# Altium PCB jetson-orin-baseboard.PcbDoc (part 3 of 4)
Units mm, origin at the board's own origin, x right, y up, seen from the top; angles counter-clockwise.
Board outline 120 x 60 mm, 8 copper layers (F.Cu, In1.Cu, In2.Cu, In3.Cu, In4.Cu, In5.Cu, In6.Cu, B.Cu); 670 components, 640 nets, 2806 pads, 0 vias.
Unrouted connection lines stored in the file: 1646.
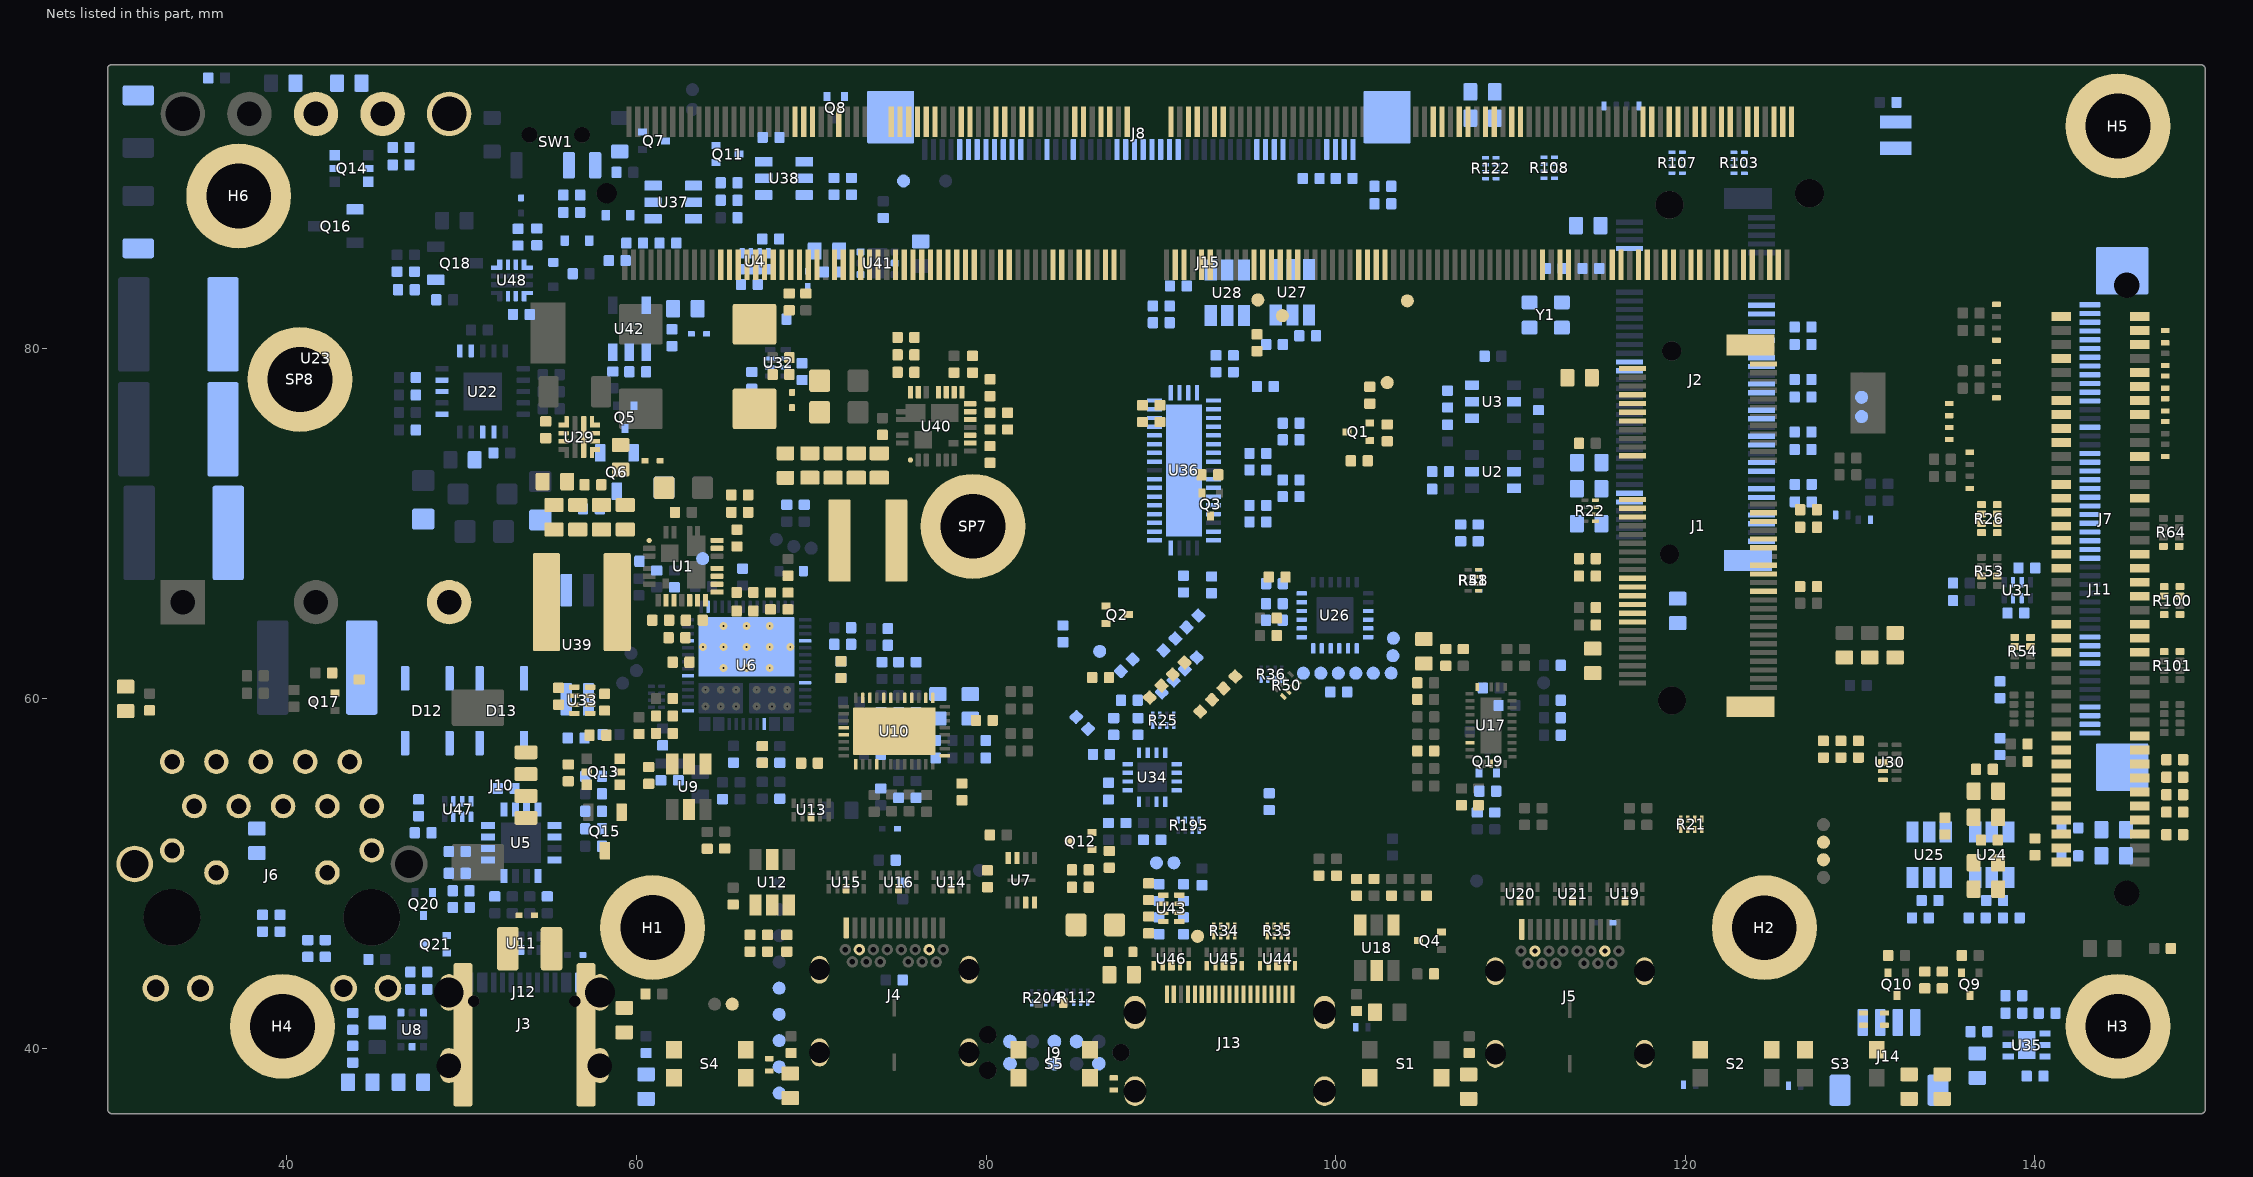
[diagram p3: the nets of this part, all layers, seen from the top]

## Footprints (in the part's own frame and the unit in brackets; to place one, negate y for a bottom-side part, rotate by r counter-clockwise, add the part's x,y. Pads: shape width x height; smd on the part's side, far side on the other; paste and mask are expansions set on the pad) (continued)
TE_2309413 [mm]
  rect 0.3x1.75 smd mask+0: 1(33.369,12.026) 2(33.119,3.826) 3(32.869,12.026) 4(32.619,3.826) 5(32.369,12.026) 6(32.119,3.826) 7(31.87,12.026) 8(31.62,3.826) 9(31.37,12.026) 10(31.12,3.826) 11(30.87,12.026) 12(30.62,3.826) 13(30.37,12.026) 14(30.12,3.826) 15(29.87,12.026) 16(29.62,3.826) 17(29.37,12.026) 18(29.12,3.826) 19(28.87,12.026) 20(28.62,3.826) 21(28.37,12.026) 22(28.12,3.826) 23(27.87,12.026) 24(27.62,3.826) 25(27.37,12.026) 26(27.12,3.826) 27(26.87,12.026) 28(26.62,3.826) 29(26.37,12.026) 30(26.12,3.826) 31(25.87,12.026) 32(25.62,3.826) 33(25.37,12.026) 34(25.12,3.826) 35(24.87,12.026) 36(24.62,3.826) 37(24.37,12.026) 38(24.12,3.826) 39(23.87,12.026) 40(23.62,3.826) 41(23.37,12.026) 42(23.12,3.826) 43(22.87,12.026) 44(22.62,3.826) 45(22.37,12.026) 46(22.12,3.826) 47(21.87,12.026) 48(21.62,3.826) 49(21.37,12.026) 50(21.12,3.826) 51(20.87,12.026) 52(20.62,3.826) 53(20.37,12.026) 54(20.12,3.826) 55(19.87,12.026) 56(19.62,3.826) 57(19.37,12.026) 58(19.12,3.826) 59(18.87,12.026) 60(18.62,3.826) 61(18.37,12.026) 62(18.12,3.826) 63(17.87,12.026) 64(17.62,3.826) 65(17.37,12.026) 66(17.12,3.826) 67(16.87,12.026) 68(16.62,3.826) 69(16.37,12.026) 70(16.12,3.826) 71(15.87,12.026) 72(15.62,3.826) 73(15.37,12.026) 74(15.12,3.826) 75(14.87,12.026) 76(14.62,3.826) 77(14.37,12.026) 78(14.12,3.826) 79(13.87,12.026) 80(13.62,3.826) 81(13.37,12.026) 82(13.12,3.826) 83(12.87,12.026) 84(12.62,3.826) 85(12.37,12.026) 86(12.12,3.826) 87(11.87,12.026) 88(11.62,3.826) 89(11.37,12.026) 90(11.12,3.826) 91(10.87,12.026) 92(10.62,3.826) 93(10.37,12.026) 94(10.12,3.826) 95(9.87,12.026) 96(9.62,3.826) 97(9.37,12.026) 98(9.12,3.826) 99(8.87,12.026) 100(8.62,3.826) 101(8.37,12.026) 102(8.12,3.826) 103(7.869,12.026) 104(7.619,3.826) 105(7.369,12.026) 106(7.119,3.826) 107(6.869,12.026) 108(6.619,3.826) 109(6.369,12.026) 110(6.119,3.826) 111(5.869,12.026) 112(5.619,3.826) 113(5.369,12.026) 114(5.12,3.826) 115(4.87,12.026) 116(4.62,3.826) 117(4.37,12.026) 118(4.12,3.826) 119(3.87,12.026) 120(3.62,3.826) 121(3.37,12.026) 122(3.12,3.826) 123(2.87,12.026) 124(2.62,3.826) 125(2.37,12.026) 126(2.12,3.826) 127(1.87,12.026) 128(1.62,3.826) 129(1.37,12.026) 130(1.12,3.826) 131(0.869,12.026) 132(0.619,3.826) 133(0.369,12.026) 134(0.119,3.826) 135(-0.131,12.026) 136(-0.38,3.826) 137(-0.63,12.026) 138(-0.88,3.826) 139(-1.131,12.026) 140(-1.381,3.826) 141(-1.631,12.026) 142(-1.881,3.826) 143(-2.13,12.026) 144(-2.38,3.826) 145(-4.63,12.026) 146(-4.88,3.826) 147(-5.13,12.026) 148(-5.38,3.826) 149(-5.63,12.026) 150(-5.88,3.826) 151(-6.13,12.026) 152(-6.38,3.826) 153(-6.63,12.026) 154(-6.88,3.826) 155(-7.13,12.026) 156(-7.38,3.826) 157(-7.63,12.026) 158(-7.88,3.826) 159(-8.131,12.026) 160(-8.381,3.826) 161(-8.631,12.026) 162(-8.881,3.826) 163(-9.131,12.026) 164(-9.381,3.826) 165(-9.631,12.026) 166(-9.881,3.826) 167(-10.131,12.026) 168(-10.381,3.826) 169(-10.631,12.026) 170(-10.881,3.826) 171(-11.131,12.026) 172(-11.381,3.826) 173(-11.631,12.026) 174(-11.881,3.826) 175(-12.131,12.026) 176(-12.381,3.826) 177(-12.631,12.026) 178(-12.881,3.826) 179(-13.131,12.026) 180(-13.381,3.826) 181(-13.631,12.026) 182(-13.881,3.826) 183(-14.131,12.026) 184(-14.381,3.826) 185(-14.631,12.026) 186(-14.881,3.826) 187(-15.131,12.026) 188(-15.381,3.826) 189(-15.631,12.026) 190(-15.881,3.826) 191(-16.13,12.026) 192(-16.38,3.826) 193(-16.63,12.026) 194(-16.88,3.826) 195(-17.13,12.026) 196(-17.38,3.826) 197(-17.63,12.026) 198(-17.88,3.826) 199(-18.13,12.026) 200(-18.38,3.826) 201(-18.63,12.026) 202(-18.88,3.826) 203(-19.13,12.026) 204(-19.38,3.826) 205(-19.63,12.026) 206(-19.88,3.826) 207(-20.13,12.026) 208(-20.38,3.826) 209(-20.63,12.026) 210(-20.88,3.826) 211(-21.13,12.026) 212(-21.38,3.826) 213(-21.63,12.026) 214(-21.88,3.826) 215(-22.13,12.026) 216(-22.38,3.826) 217(-22.63,12.026) 218(-22.88,3.826) 219(-23.13,12.026) 220(-23.38,3.826) 221(-23.63,12.026) 222(-23.88,3.826) 223(-24.13,12.026) 224(-24.38,3.826) 225(-24.63,12.026) 226(-24.88,3.826) 227(-25.13,12.026) 228(-25.38,3.826) 229(-25.63,12.026) 230(-25.88,3.826) 231(-26.13,12.026) 232(-26.38,3.826) 233(-26.63,12.026) 234(-26.88,3.826) 235(-27.13,12.026) 236(-27.38,3.826) 237(-27.63,12.026) 238(-27.88,3.826) 239(-28.13,12.026) 240(-28.38,3.826) 241(-28.63,12.026) 242(-28.88,3.826) 243(-29.13,12.026) 244(-29.38,3.826) 245(-29.63,12.026) 246(-29.88,3.826) 247(-30.13,12.026) 248(-30.38,3.826) 249(-30.63,12.026) 250(-30.88,3.826) 251(-31.13,12.026) 252(-31.38,3.826) 253(-31.63,12.026) 254(-31.88,3.826) 255(-32.131,12.026) 256(-32.381,3.826) 257(-32.631,12.026) 258(-32.881,3.826) 259(-33.131,12.026) 260(-33.381,3.826)
  rect 2x3.5 smd mask+0: 261(-37.756,-0.073) 262(37.744,-4.073)
  round 1.15 hole 1.15 paste-2539.97 mask+0: Un1(-34.406,7.926)
  round 1.65 hole 1.65 paste-2539.97 mask+0: Un2(34.395,7.926)
  silkscreen extent -38.91,-5.97 38.89,12.93, body extent -38.05,-12.93 38.05,12.92, height 9.25
TP_SMD_0.75mm [mm]
  round 0.75 smd paste-0.75 mask+0: 1(0,0)
TSOT23-6#1 [mm]
  rect 1.2x0.7 smd mask+0: 1(-1.301,0.947) 2(-1.301,-0.004) 3(-1.301,-0.954) 4(1.299,-0.954) 5(1.299,-0.004) 6(1.299,0.947)
  silkscreen extent -1.49,-1.55 1,1.55
TSOT23-6#2 [mm]
  rect 1.2x0.7 smd mask+0: 1(1.301,-0.947) 2(1.301,0.004) 3(1.301,0.954) 4(-1.299,0.954) 5(-1.299,0.004) 6(-1.299,-0.947)
  silkscreen extent -1,-1.55 1.49,1.55
USB-C_RECEPTACLE_GCT_USB4105-GF-A [mm]
  rrect25% 0.6x1.15 smd mask+0: A1(3.202,-3.5) A4(2.4,-3.5) A9(-2.398,-3.5) A12(-3.2,-3.5) B1(-3.2,-3.5) B4(-2.398,-3.5) B9(2.4,-3.5) B12(3.202,-3.5)
  rrect25% 0.3x1.15 smd mask+0: A5(1.25,-3.5) A6(0.25,-3.5) A7(-0.248,-3.5) A8(-1.249,-3.5) B5(-1.749,-3.5) B6(-0.748,-3.5) B7(0.75,-3.5) B8(1.75,-3.5)
  rrect100% 1.05x2.1 hole 1.7 slot 0.6 at 0 deg paste-2539.97 mask+0: SH(-4.32,-2.926) SH(4.321,-2.926)
  rrect100% 1x2 hole 1.4 slot 0.6 at 0 deg paste-2539.97 mask+0: SH(-4.32,1.255) SH(4.321,1.255)
  round 0.65 hole 0.65 paste-2539.97 mask+0: Un1(2.891,-2.426) Un2(-2.89,-2.426)
  silkscreen extent -4.79,-4.35 4.79,3.85, body extent -4.79,-3.86 4.79,3.85, height 3.31
USB-C_RECEPTACLE_WE_632723300011 [mm]
  rrect25% 0.3x1.2 smd mask+0: A1(-2.75,5.635) A2(-2.25,5.635) A3(-1.75,5.635) A4(-1.25,5.635) A5(-0.75,5.635) A6(-0.25,5.635) A7(0.25,5.635) A8(0.75,5.635) A9(1.25,5.635) A10(1.75,5.635) A11(2.25,5.635) A12(2.75,5.635)
  round 0.65 hole 0.3 paste-2539.97 mask+0: B1(2.8,4.385) B2(2.4,3.685) B3(1.6,3.685) B4(1.2,4.385) B5(0.8,3.685) B6(0.4,4.385) B7(-0.4,4.385) B8(-0.8,3.685) B9(-1.2,4.385) B10(-1.6,3.685) B11(-2.4,3.685) B12(-2.8,4.385) SH(-2,4.385) SH(2,4.385)
  rrect100% 1x1.6 hole 1.2 slot 0.6 at 0 deg paste-2539.97 mask+0: SH(-4.27,-1.495) SH(-4.27,3.235) SH(4.27,-1.495) SH(4.27,3.235)
  rrect25% 0.2x1 smd mask+0: Un1(0,1.055) Un2(0,-2.045)
  silkscreen extent -4.4,-3.2 4.4,5.65, body extent -4.37,-5.92 4.37,5.87, height 3.06
USON-8_2x3mm_P0.5mm [mm]
  rrect25% 0.7x0.3 smd mask+0: 1(-1.273,0.75) 2(-1.273,0.25) 3(-1.273,-0.248) 4(-1.273,-0.748) 5(1.276,-0.748) 6(1.276,-0.248) 7(1.276,0.25) 8(1.276,0.75)
  rrect25% 0.2x1.6 smd mask+0: EP(0,0)
  silkscreen extent -1.8,-1.3 1.71,1.3
USON-10_2.5x1mm_P0.5mm#1 [mm]
  rrect25% 0.55x0.25 smd mask+0: 1(0.387,-1) 2(0.387,-0.5) 4(0.387,0.498) 5(0.387,0.998) 6(-0.385,0.998) 7(-0.385,0.498) 9(-0.385,-0.5) 10(-0.385,-1)
  rrect25% 0.55x0.4 smd mask+0: 3(0.387,0) 8(-0.385,0)
  silkscreen extent -0.5,-1.4 0.73,1.4
USON-10_2.5x1mm_P0.5mm#2 [mm]
  rrect25% 0.55x0.25 smd mask+0: 1(-0.387,1) 2(-0.387,0.5) 4(-0.387,-0.498) 5(-0.387,-0.998) 6(0.385,-0.998) 7(0.385,-0.498) 9(0.385,0.5) 10(0.385,1)
  rrect25% 0.55x0.4 smd mask+0: 3(-0.387,0) 8(0.385,0)
  silkscreen extent -0.73,-1.4 0.5,1.4
VQFN-16-1EP_3x3mm_P0.5mm_EP1.68x1.68mm [mm]
  rrect20% 0.6x0.25 smd mask+0: 1(1.4,-0.75) 2(1.4,-0.25) 3(1.4,0.25) 4(1.4,0.75) 9(-1.4,0.75) 10(-1.4,0.25) 11(-1.4,-0.25) 12(-1.4,-0.75)
  rrect20% 0.25x0.6 smd mask+0: 5(0.75,1.4) 6(0.25,1.4) 7(-0.25,1.4) 8(-0.75,1.4) 13(-0.75,-1.4) 14(-0.25,-1.4) 15(0.25,-1.4) 16(0.75,-1.4)
  rrect3% 1.68x1.68 smd mask+0: 17(0,0)
  silkscreen extent -1.5,-1.5 1.8,1.5
VQFN-20_5x5x1mm_P0.65mm [mm]
  rrect25% 0.75x0.31 smd mask+0: 1(2.327,-1.301) 2(2.327,-0.652) 3(2.327,0) 4(2.327,0.65) 5(2.327,1.3) 11(-2.325,1.3) 12(-2.325,0.65) 13(-2.325,0) 14(-2.325,-0.652) 15(-2.325,-1.301)
  rrect25% 0.31x0.75 smd mask+0: 6(1.301,2.325) 7(0.652,2.325) 8(0,2.325) 9(-0.65,2.325) 10(-1.3,2.325) 16(-1.3,-2.327) 17(-0.65,-2.327) 18(0,-2.327) 19(0.652,-2.327) 20(1.301,-2.327)
  rect 2.2x2.2 smd paste-2.2 mask+0: 21(0,0)
  silkscreen extent -2.5,-2.5 2.85,2.5
VQFN-24-1EP_3.8x3.8x1.0mm_P0.5mm [mm]
  rrect25% 0.6x0.25 smd mask+0: 1(1.901,-1.25) 2(1.901,-0.75) 3(1.901,-0.25) 4(1.901,0.248) 5(1.901,0.748) 6(1.901,1.249) 13(-1.898,1.249) 14(-1.898,0.748) 15(-1.898,0.248) 16(-1.898,-0.25) 17(-1.898,-0.75) 18(-1.898,-1.252)
  rrect25% 0.25x0.6 smd mask+0: 7(1.252,1.898) 8(0.751,1.898) 9(0.25,1.898) 10(-0.248,1.898) 11(-0.748,1.898) 12(-1.249,1.898) 19(-1.249,-1.901) 20(-0.748,-1.901) 21(-0.248,-1.901) 22(0.25,-1.901) 23(0.75,-1.901) 24(1.252,-1.901)
  rrect5% 2.1x2.1 smd mask+0: 25(0,-0.001)
  silkscreen extent -1.9,-2.25 2.25,1.9
VQFN-HR-10_2x2mm#1 [mm]
  rrect17% 0.6x0.3 smd paste-0.6 mask+0: 1(-0.9,0.7) 4(-0.9,-0.7) 7(0.9,-0.7) 10(0.9,0.7)
  rrect20% 0.25x0.65 smd paste-0.65 mask+0: 1(-0.725,0.875) 4(-0.725,-0.875) 7(0.725,-0.875) 10(0.725,0.875)
  rrect20% 0.6x0.25 smd mask+0: 2(-0.9,0.225) 3(-0.9,-0.225) 8(0.9,-0.225) 9(0.9,0.225)
  rrect25% 0.3x2.4 smd paste-2.4 mask+0: 5(-0.25,0) 6(0.25,0)
  rrect18% 0.6x0.275 on Top Paste mask-0.6: Un1(-0.9,0.687) Un2(-0.9,-0.687) Un11(0.9,0.687) Un12(0.9,-0.687)
  rrect22% 0.225x0.65 on Top Paste mask-0.65: Un3(-0.713,0.875) Un4(-0.713,-0.875) Un9(0.713,0.875) Un10(0.713,-0.875)
  rrect18% 0.28x1.06 on Top Paste mask-1.06: Un5(-0.25,0.63) Un6(-0.25,-0.63) Un7(0.25,0.63) Un8(0.25,-0.63)
  silkscreen extent -1.25,1.14 -1.15,1.25
VQFN-HR-10_2x2mm#2 [mm]
  rrect20% 0.25x0.65 smd paste-0.65 mask+0: 1(0.725,-0.875) 4(0.725,0.875) 7(-0.725,0.875) 10(-0.725,-0.875)
  rrect17% 0.6x0.3 smd paste-0.6 mask+0: 1(0.9,-0.7) 4(0.9,0.7) 7(-0.9,0.7) 10(-0.9,-0.7)
  rrect20% 0.6x0.25 smd mask+0: 2(0.9,-0.225) 3(0.9,0.225) 8(-0.9,0.225) 9(-0.9,-0.225)
  rrect25% 0.3x2.4 smd paste-2.4 mask+0: 5(0.25,0) 6(-0.25,0)
  rrect18% 0.6x0.275 on Bottom Paste mask-0.6: Un1(0.9,0.687) Un2(0.9,-0.687) Un11(-0.9,0.687) Un12(-0.9,-0.687)
  rrect22% 0.225x0.65 on Bottom Paste mask-0.65: Un3(0.713,0.875) Un4(0.713,-0.875) Un9(-0.713,0.875) Un10(-0.713,-0.875)
  rrect18% 0.28x1.06 on Bottom Paste mask-1.06: Un5(0.25,0.63) Un6(0.25,-0.63) Un7(-0.25,0.63) Un8(-0.25,-0.63)
  silkscreen extent 1.15,-1.25 1.25,-1.14
WQFN-30-1EP_4.6x2.6mm_P0.4mm [mm]
  rect 0.45x0.2 smd mask+0: 1(-1.232,1.809) 10(-1.232,-1.79) 16(1.222,-1.79) 25(1.222,1.809)
  rect 0.5x0.2 smd mask+0: 2(-1.203,1.41) 3(-1.203,1.01) 4(-1.203,0.609) 5(-1.203,0.21) 6(-1.203,-0.191) 7(-1.203,-0.59) 8(-1.203,-0.99) 9(-1.203,-1.391) 17(1.196,-1.391) 18(1.196,-0.99) 19(1.196,-0.59) 20(1.196,-0.191) 21(1.196,0.21) 22(1.196,0.609) 23(1.196,1.01) 24(1.196,1.41)
  rect 0.2x0.45 smd mask+0: 11(-0.804,-2.191) 15(0.797,-2.191) 26(0.797,2.21) 30(-0.804,2.21)
  rect 0.2x0.5 smd mask+0: 12(-0.403,-2.191) 13(-0.003,-2.191) 14(0.396,-2.191) 27(0.396,2.21) 28(-0.003,2.21) 29(-0.403,2.21)
  rect 1.2x3.2 smd mask+0: 31(-0.003,0.01)
  silkscreen extent -1.55,-2.24 1.25,2.55
WQFN-40_1EP_6x3mm_Pitch0.4mm_EP4.7x2.7mm [mm]
  rrect25% 0.6x0.2 smd mask+0: 1(-2.9,1.401) 2(-2.9,1) 3(-2.9,0.6) 4(-2.9,0.202) 5(-2.9,-0.2) 6(-2.9,-0.598) 7(-2.9,-0.998) 8(-2.9,-1.398) 21(2.898,-1.398) 22(2.898,-0.998) 23(2.898,-0.598) 24(2.898,-0.2) 25(2.898,0.202) 26(2.898,0.6) 27(2.898,1) 28(2.898,1.401)
  rrect25% 0.2x0.6 smd mask+0: 9(-2.202,-1.898) 10(-1.801,-1.898) 11(-1.401,-1.898) 12(-1,-1.898) 13(-0.6,-1.898) 14(-0.202,-1.898) 15(0.2,-1.898) 16(0.598,-1.898) 17(0.998,-1.898) 18(1.398,-1.898) 19(1.8,-1.898) 20(2.2,-1.898) 29(2.2,1.901) 30(1.8,1.901) 31(1.398,1.901) 32(0.998,1.901) 33(0.598,1.901) 34(0.2,1.901) 35(-0.202,1.901) 36(-0.6,1.901) 37(-1,1.901) 38(-1.401,1.901) 39(-1.801,1.901) 40(-2.202,1.901)
  rrect5% 1x0.8 smd mask+0: 41(-1.5,0.652) 41(-1.5,-0.748) 41(0.05,0.652) 41(0.05,-0.748) 41(1.499,0.652) 41(1.499,-0.748)
  rrect2% 4.7x2.7 smd paste-4.7 mask+0: 41(0,0)
  silkscreen extent -3.88,-2.1 3.1,2.1
WQFN-42-1EP_3.5x9mm_P0.5mm [mm]
  rrect25% 0.875x0.25 smd mask+0: 1(1.688,-4) 2(1.688,-3.5) 3(1.688,-3) 4(1.688,-2.5) 5(1.688,-2) 6(1.688,-1.5) 7(1.688,-1) 8(1.688,-0.5) 9(1.688,0) 10(1.688,0.5) 11(1.688,1) 12(1.688,1.5) 13(1.688,2) 14(1.688,2.5) 15(1.688,3) 16(1.688,3.5) 17(1.688,4) 22(-1.687,4) 23(-1.687,3.5) 24(-1.687,3) 25(-1.687,2.5) 26(-1.687,2) 27(-1.687,1.5) 28(-1.687,1) 29(-1.687,0.5) 30(-1.687,0) 31(-1.687,-0.5) 32(-1.687,-1) 33(-1.687,-1.5) 34(-1.687,-2) 35(-1.687,-2.5) 36(-1.687,-3) 37(-1.687,-3.5) 38(-1.687,-4)
  rrect25% 0.25x0.875 smd mask+0: 18(0.75,4.437) 19(0.25,4.437) 20(-0.25,4.437) 21(-0.75,4.437) 39(-0.75,-4.438) 40(-0.25,-4.438) 41(0.25,-4.438) 42(0.75,-4.438)
  rect 2.05x7.55 smd paste-7.55 mask+0: 43(0,0)
  rrect25% 0.83x0.87 on Bottom Paste mask-0.87: Un1(0.51,3.24) Un2(0.51,2.16) Un3(0.51,1.08) Un4(0.51,0) Un5(0.51,-1.081) Un6(0.51,-2.161) Un7(0.51,-3.242) Un8(-0.508,3.24) Un9(-0.508,2.16) Un10(-0.508,1.08) Un11(-0.508,0) Un12(-0.508,-1.081) Un13(-0.508,-2.161) Un14(-0.508,-3.242)
  silkscreen extent -1.86,-4.61 2.73,4.61
WSON-6-1EP_2x2mm_P0.65mm [mm]
  rrect25% 0.45x0.4 smd mask+0: 1(0.975,-0.652) 2(0.975,0) 3(0.975,0.65) 4(-0.973,0.65) 5(-0.973,0) 6(-0.973,-0.652)
  rrect10% 1.12x1.72 smd mask+0: 7(0,0)
  silkscreen extent -1,-1.13 1.33,1
XDFN-2_1x0.60mm#1 [mm]
  rrect25% 0.3x0.5 smd mask+0: 1(0.351,0) 2(-0.349,0)
XDFN-2_1x0.60mm#2 [mm]
  rrect25% 0.3x0.5 smd mask+0: 1(-0.351,0) 2(0.349,0)
XSON-8_1x1.95mm_P0.5mm#1 [mm]
  rrect25% 0.6x0.3 smd mask+0: 1(0.45,-0.75) 4(0.45,0.75) 5(-0.45,0.75) 8(-0.45,-0.75)
  rrect25% 0.6x0.25 smd mask+0: 2(0.45,-0.25) 3(0.45,0.25) 6(-0.45,0.25) 7(-0.45,-0.25)
  silkscreen extent -0.5,-1.15 0.8,1.1
XSON-8_1x1.95mm_P0.5mm#2 [mm]
  rrect25% 0.6x0.3 smd mask+0: 1(-0.45,0.75) 4(-0.45,-0.75) 5(0.45,-0.75) 8(0.45,0.75)
  rrect25% 0.6x0.25 smd mask+0: 2(-0.45,0.25) 3(-0.45,-0.25) 6(0.45,-0.25) 7(0.45,0.25)
  silkscreen extent -0.8,-1.1 0.5,1.15

## Part data
A2: library part Mech_M2_2242_H2.5mm, Footprint=antmicro-footprints:Mech_M2_2242_H2.5mm, Author=Antmicro, License=Apache-2.0, OldValue=Mech_M2_2242_H2.5mm
BT1: library part Battery_Holder_MS621FE-FL11E, Manufacturer 1="Seiko Instruments", Author=Antmicro, License=Apache-2.0, Manufacturer Part Number 1=MS621FE-FL11E, OldValue=Battery_Holder_MS621FE-FL11E
C1 C2: library part C_Pol_100u_25V_KEMET-T521-D-107, Dielectric=template_dielectric, Manufacturer 1=KEMET, VOLTAGE=25V, Author=Antmicro, License=Apache-2.0, Manufacturer Part Number 1=T521D107M025ATE040, OldValue=C_Pol_100u_25V_KEMET-T521-D-107, Val=100u
C5 C122 C151 C152: library part C_22u_25V_0805, Dielectric=X5R, Manufacturer 1="Samsung Electro-Mechanics", VOLTAGE=25V, Author=Antmicro, License=Apache-2.0, Manufacturer Part Number 1=CL21A226MAYNNNE, OldValue=C_22u_25V_0805, Public=False, Val=22u
C6 C7 C8 C25 C26 C27 C29 C31 C33 C36 C37 C40 C41 C42 C43 C44 C45 C48 C50 C52 C53 C54 C55 C57 C58 C60 C61 C62 C63 C64 C65 C67 C68 C69 C70 C71 C72 C73 C75 C78 C86 C87 C88 C89 C90 C91 C92 C96 C97 C100 C101 C102 C104 C111 C113 C118 C119 C121 C124 C125 C130 C131 C132 C133 C135 C138 C139 C140 C141 C143 C144 C157 C158 C159 C163 C164: library part C_100n_0402, Dielectric=X5R, Manufacturer 1=Murata, VOLTAGE=50V, Author=Antmicro, License=Apache-2.0, Manufacturer Part Number 1=GRM155R61H104KE14D, OldValue=C_100n_0402, Val=100n
C9 C10 C13 C14 C15 C16 C17 C18 C19 C20 C108 C109 C110 C112: library part C_220n_0402, Manufacturer 1=YAGEO, Author=Antmicro, License=Apache-2.0, Manufacturer Part Number 1=CC0402KRX5R6BB224, OldValue=C_220n_0402, Val=220n
C11 C12 C51 C74: library part C_10u_0603, Dielectric=template_dielectric, Manufacturer 1=Murata, Author=Antmicro, License=Apache-2.0, Manufacturer Part Number 1=GRM188R61A106KE69D, OldValue=C_10u_0603, Val=10u
C21: library part C_10u_0603_4, Dielectric=template_dielectric, Manufacturer 1=Murata, OldValue=C_10u_0603, Author=Antmicro, License=Apache-2.0, Manufacturer Part Number 1=GRM188R61A106KE69D, Val=10u
C22: library part C_10u_0603_3, Dielectric=template_dielectric, Manufacturer 1=Murata, OldValue=C_10u_0603, Author=Antmicro, License=Apache-2.0, Manufacturer Part Number 1=GRM188R61A106KE69D, Val=10u
C23: library part C_10u_0603_2, Dielectric=template_dielectric, Manufacturer 1=Murata, OldValue=C_10u_0603, Author=Antmicro, License=Apache-2.0, Manufacturer Part Number 1=GRM188R61A106KE69D, Val=10u
C24 C66: library part C_10u_0603_1, Dielectric=template_dielectric, Manufacturer 1=Murata, OldValue=C_10u_0603, Author=Antmicro, License=Apache-2.0, Manufacturer Part Number 1=GRM188R61A106KE69D, Val=10u
C28 C30 C34 C35 C49 C56 C59 C83 C116 C117 C137: library part C_10u_0402, Manufacturer 1=YAGEO, Author=Antmicro, License=Apache-2.0, Manufacturer Part Number 1=CC0402MRX5R5BB106, OldValue=C_10u_0402, Val=10u
C32 C134: library part C_10u_25V_0603, Manufacturer 1=TDK, VOLTAGE=25V, Author=Antmicro, License=Apache-2.0, Manufacturer Part Number 1=C1608X5R1E106M080AC, OldValue=C_10u_25V_0603, Val=10u
C47 C93 C94 C95 C98 C99 C105 C106 C107 C114 C115 C123 C142: library part C_1u_0402, Manufacturer 1=TDK, Author=Antmicro, License=Apache-2.0, Manufacturer Part Number 1=C1005X6S1A105K050BC, OldValue=C_1u_0402, Val=1u
C76: library part C_100n_100V_0805, Dielectric=X7R, Manufacturer 1="Samsung Electro-Mechanics", VOLTAGE=100V, Author=Antmicro, License=Apache-2.0, Manufacturer Part Number 1=CL21B104KCFNNNE, OldValue=C_100n_100V_0805, Public=False, Val=100n
C77: library part C_10n_0603, Manufacturer 1=AVX, Author=Antmicro, License=Apache-2.0, Manufacturer Part Number 1=06031C103JAT2A, OldValue=C_10n_0603, Val=10n
C79 C80 C81 C82: library part C_22u_100V_2220, Dielectric=X7S, Manufacturer 1=TDK, VOLTAGE=100V, Author=Antmicro, License=Apache-2.0, Manufacturer Part Number 1=C5750X7S2A226M280KB, OldValue=C_22u_100V_2220, Public=False, Val=22u
C84 C85: library part C_47u_16V_1206, Dielectric=X5R, Manufacturer 1=TDK, VOLTAGE=16V, Author=Antmicro, License=Apache-2.0, Manufacturer Part Number 1=C3216X5R1C476M160AB, OldValue=C_47u_16V_1206, Public=False, Val=47u
C103 C120 C126 C127 C128 C129 C153 C154: library part C_22u_16V_0603, Manufacturer 1="Samsung Electro-Mechanics", VOLTAGE=16V, Author=Antmicro, License=Apache-2.0, Manufacturer Part Number 1=CL10A226MO7JZNC, OldValue=C_22u_16V_0603, Val=22u
C136 C148 C155 C156: library part C_4u7_25V_0402, Dielectric=X5S, Manufacturer 1=Murata, VOLTAGE=25V, Author=Antmicro, License=Apache-2.0, Manufacturer Part Number 1=GRM155C61E475ME15J, OldValue=C_4u7_25V_0402, Val=4u7
C145 C146: library part C_47p_0402, Dielectric=C0G, Manufacturer 1=KEMET, Author=Antmicro, License=Apache-2.0, Manufacturer Part Number 1=C0402C470J5GACTU, OldValue=C_47p_0402, Val=47p
C147 C149 C150: library part C_1u_25V_0402, Dielectric=X5R, Manufacturer 1=Murata, VOLTAGE=25V, Author=Antmicro, License=Apache-2.0, Manufacturer Part Number 1=GRM155R61E105KE11J, OldValue=C_1u_25V_0402, Val=1u
C160 C161: library part C_1n_0402, Dielectric=C0G, Manufacturer 1=Murata, VOLTAGE=50V, Author=Antmicro, License=Apache-2.0, Manufacturer Part Number 1=GRM1555C1H102JA01D, OldValue=C_1n_0402, Val=1n
D1 D4 D5 D8 D9 D11 D15 D18 D20 D24 D25 D26 D27 D51 D52 D53 D54: library part LED_G_0603_LTST-C190GKT, Color=Green, Manufacturer 1=Lite-On, Author=Antmicro, License=Apache-2.0, Manufacturer Part Number 1=LTST-C190GKT, OldValue=LED_G_0603_LTST-C190GKT
D2: library part LED_G_0603_LTST-C190GKT_3, Color=Green, Manufacturer 1=Lite-On, OldValue=LED_G_0603_LTST-C190GKT, Author=Antmicro, License=Apache-2.0, Manufacturer Part Number 1=LTST-C190GKT
D3: library part LED_G_0603_LTST-C190GKT_4, Color=Green, Manufacturer 1=Lite-On, OldValue=LED_G_0603_LTST-C190GKT, Author=Antmicro, License=Apache-2.0, Manufacturer Part Number 1=LTST-C190GKT
D6 D7 D28 D29: library part DF2S30FS_SOD, Manufacturer 1=Toshiba, Author=Antmicro, License=Apache-2.0, Manufacturer Part Number 1=DF2S30FS, OldValue=DF2S30FS_SOD
D10 D30 D31 D32 D33 D34 D35 D36 D37 D38 D63: Manufacturer 1="ON Semiconductor", Author=Antmicro, License=Apache-2.0
  D10 D30 D31 D32 D33: Manufacturer Part Number 1=ESD9X5.0ST5G, OldValue=ESD9X5.0ST5G
  D34 D35 D36 D37 D38 D63: Manufacturer Part Number 1=RB521S30T1G, OldValue=RB521S30T1G
D12 D13: Manufacturer 1=Bourns, Author=Antmicro, License=Apache-2.0, Manufacturer Part Number 1=CD-MMBL110S, OldValue=CD-MMBL110S
D14: Manufacturer 1=Nexperia, Author=Antmicro, License=Apache-2.0, Manufacturer Part Number 1=PTVS58VS1UR,115, OldValue=PTVS58VS1UR,115
D16 D17 D19 D21 D22 D23 D39 D40 D41 D42 D43 D44 D45 D46 D47 D48 D49 D50 D55 D56 D57 D58 D59 D60 D61: library part TPD1E0B04_XDFN-2, Manufacturer 1="Texas Instruments", Author=Antmicro, License=Apache-2.0, Manufacturer Part Number 1=TPD1E0B04DPYR, OldValue=TPD1E0B04_XDFN-2
FB1: library part FB_10Z_10A_WE-MPSB_1206, Manufacturer 1="Würth Elektronik", Author=Antmicro, License=Apache-2.0, Manufacturer Part Number 1=74279221100, OldValue=FB_10Z_10A_WE-MPSB_1206, Val=10Z/10A
FB2 FB3 FB4: library part FB_220Z_2A_Murata-BLM21PG_0805, Manufacturer 1=Murata, Author=Antmicro, License=Apache-2.0, Manufacturer Part Number 1=BLM21PG221SN1D, OldValue=FB_220Z_2A_Murata-BLM21PG_0805, Val=220Z/2A
H1 H2 H3 H4 H5 H6: library part Spacer_Drill3.7mm_H6.5mm_9774065151R, Manufacturer 1="Würth Elektronik", Author=Antmicro, License=Apache-2.0, Manufacturer Part Number 1=9774065151R, OldValue=Spacer_Drill3.7mm_H6.5mm_9774065151R

## Text inside footprints (layer, text, board x,y; h text height)
Q14: B.Fab "License: Apache-2.0" at 52.515,94.892 h0.7; B.Fab "Author: Antmicro" at 50.685,96.208 h0.7
Q15: F.Fab "License: Apache-2.0" at 50.767,54.35 h0.7 r270; F.Fab "Author: Antmicro" at 52.383,54.387 h0.7 r270
Q16: B.Fab "Author: Antmicro" at 44.487,81.208 h0.7; B.Fab "License: Apache-2.0" at 44.45,79.592 h0.7
Q17: F.Fab "Author: Antmicro" at 48.85,58.545 h0.7 r90; F.Fab "License: Apache-2.0" at 47.766,58.545 h0.7 r90
Q18: B.Fab "Author: Antmicro" at 47.638,89.683 h0.7; B.Fab "License: Apache-2.0" at 47.675,91.067 h0.7
Q19: B.Fab "Author: Antmicro" at 109.67,49.659 h0.7; B.Fab "License: Apache-2.0" at 109.67,50.743 h0.7
Q20: B.Fab "Author: Antmicro" at 54.99,53.957 h0.7; B.Fab "License: Apache-2.0" at 56.82,52.641 h0.7
Q21: B.Fab "Author: Antmicro" at 55.241,46.92 h0.7 r90; B.Fab "License: Apache-2.0" at 54.157,46.92 h0.7 r90
R1: B.Fab "Author: Antmicro" at 85.314,51.6 h0.7 r270; B.Fab "License: Apache-2.0" at 84.198,51.6 h0.7 r270
R2: F.Fab "Author: Antmicro" at 65.088,75.355 h0.7 r90; F.Fab "License: Apache-2.0" at 64.204,73.525 h0.7 r90
R3: F.Fab "License: Apache-2.0" at 59.105,83.066 h0.7; F.Fab "Author: Antmicro" at 60.935,82.182 h0.7
R4: F.Fab "License: Apache-2.0" at 65.154,73.525 h0.7 r90; F.Fab "Author: Antmicro" at 66.038,75.355 h0.7 r90
R5: F.Fab "Author: Antmicro" at 60.935,83.152 h0.7; F.Fab "License: Apache-2.0" at 59.105,84.036 h0.7
R6: B.Fab "License: Apache-2.0" at 137.55,51.986 h0.7; B.Fab "Author: Antmicro" at 137.55,51.102 h0.7
R7: B.Fab "Author: Antmicro" at 136.6,52.102 h0.7; B.Fab "License: Apache-2.0" at 136.6,52.986 h0.7
R8: B.Fab "Author: Antmicro" at 132.9,52.102 h0.7; B.Fab "License: Apache-2.0" at 132.9,52.986 h0.7
R9: B.Fab "Author: Antmicro" at 99.2,76.064 h0.7; B.Fab "License: Apache-2.0" at 99.2,74.948 h0.7
R10: B.Fab "Author: Antmicro" at 89.9,87.252 h0.7; B.Fab "License: Apache-2.0" at 89.9,88.136 h0.7
R11: B.Fab "License: Apache-2.0" at 134.7,70.136 h0.7; B.Fab "Author: Antmicro" at 134.7,69.252 h0.7
R12: B.Fab "Author: Antmicro" at 134.7,70.252 h0.7; B.Fab "License: Apache-2.0" at 134.7,71.136 h0.7
R13: B.Fab "License: Apache-2.0" at 105.798,72.2 h0.7 r270; B.Fab "Author: Antmicro" at 106.914,72.2 h0.7 r270
R14: F.Fab "License: Apache-2.0" at 127.85,69.986 h0.7; F.Fab "Author: Antmicro" at 127.85,69.102 h0.7
R15: B.Fab "License: Apache-2.0" at 128.8,65.286 h0.7; B.Fab "Author: Antmicro" at 128.8,64.402 h0.7
R16: B.Fab "License: Apache-2.0" at 105.798,74.18 h0.7 r270; B.Fab "Author: Antmicro" at 106.914,74.18 h0.7 r270
R17: B.Fab "Author: Antmicro" at 107.9,83.232 h0.7; B.Fab "License: Apache-2.0" at 107.9,84.116 h0.7
R18: B.Fab "License: Apache-2.0" at 112.202,75.98 h0.7 r90; B.Fab "Author: Antmicro" at 111.086,75.98 h0.7 r90
R19: B.Fab "License: Apache-2.0" at 111.4,89.136 h0.7; B.Fab "Author: Antmicro" at 111.4,88.252 h0.7
R20: F.Fab "License: Apache-2.0" at 130.1,78.286 h0.7; F.Fab "Author: Antmicro" at 130.1,77.402 h0.7
R21: F.Fab "Author: Antmicro" at 119.146,47.684 h0.7; F.Fab "License: Apache-2.0" at 119.146,46.167 h0.7
R22: F.Fab "License: Apache-2.0" at 107.917,71.951 h0.7 r270; F.Fab "Author: Antmicro" at 109.434,71.951 h0.7 r270
R23: B.Fab "License: Apache-2.0" at 107.05,62.636 h0.7; B.Fab "Author: Antmicro" at 107.05,61.752 h0.7
R24: B.Fab "License: Apache-2.0" at 113.902,53.8 h0.7 r90; B.Fab "Author: Antmicro" at 112.786,53.8 h0.7 r90
R25: B.Fab "Author: Antmicro" at 88.934,62.832 h0.7; B.Fab "License: Apache-2.0" at 88.934,64.117 h0.7
R26: F.Fab "Author: Antmicro" at 142.417,68.64 h0.7 r90; F.Fab "License: Apache-2.0" at 143.783,68.64 h0.7 r90
R27: F.Fab "License: Apache-2.0" at 113.3,61.198 h0.7; F.Fab "Author: Antmicro" at 113.3,62.314 h0.7
R28: F.Fab "Author: Antmicro" at 127.85,70.052 h0.7; F.Fab "License: Apache-2.0" at 127.85,70.936 h0.7
R29: F.Fab "Author: Antmicro" at 115.2,71.652 h0.7; F.Fab "License: Apache-2.0" at 115.2,72.536 h0.7
R30: F.Fab "License: Apache-2.0" at 115.2,69.736 h0.7; F.Fab "Author: Antmicro" at 115.2,68.852 h0.7
R31: F.Fab "Author: Antmicro" at 115.2,67.852 h0.7; F.Fab "License: Apache-2.0" at 115.2,68.736 h0.7
R32: F.Fab "Author: Antmicro" at 107.065,78.252 h0.7; F.Fab "License: Apache-2.0" at 105.235,79.136 h0.7
R33: B.Fab "License: Apache-2.0" at 67.783,61.001 h0.7 r90; B.Fab "Author: Antmicro" at 66.266,61.001 h0.7 r90
R34: F.Fab "Author: Antmicro" at 92.424,41.584 h0.7; F.Fab "License: Apache-2.0" at 92.424,40.067 h0.7
R35: F.Fab "License: Apache-2.0" at 95.474,40.067 h0.7; F.Fab "Author: Antmicro" at 95.474,41.584 h0.7
R36: B.Fab "Author: Antmicro" at 95.129,65.482 h0.7; B.Fab "License: Apache-2.0" at 95.129,66.767 h0.7
R37: B.Fab "Author: Antmicro" at 106.914,76.18 h0.7 r270; B.Fab "License: Apache-2.0" at 105.798,76.18 h0.7 r270
R38: B.Fab "Author: Antmicro" at 104.9,75.632 h0.7; B.Fab "License: Apache-2.0" at 104.9,76.516 h0.7
R39: F.Fab "License: Apache-2.0" at 124.098,58.2 h0.7 r270; F.Fab "Author: Antmicro" at 125.214,58.2 h0.7 r270
R40: F.Fab "Author: Antmicro" at 106.636,76.25 h0.7 r90; F.Fab "License: Apache-2.0" at 107.752,76.25 h0.7 r90
R41: B.Fab "Author: Antmicro" at 72.6,59.364 h0.7; B.Fab "License: Apache-2.0" at 72.6,58.248 h0.7
R42: B.Fab "License: Apache-2.0" at 61.398,53.95 h0.7 r270; B.Fab "Author: Antmicro" at 62.514,53.95 h0.7 r270
R43: B.Fab "License: Apache-2.0" at 62.398,53.95 h0.7 r270; B.Fab "Author: Antmicro" at 63.514,53.95 h0.7 r270
R44: B.Fab "License: Apache-2.0" at 60.123,53.925 h0.7 r270; B.Fab "Author: Antmicro" at 61.239,53.925 h0.7 r270
R45: B.Fab "Author: Antmicro" at 60.239,53.925 h0.7 r270; B.Fab "License: Apache-2.0" at 59.123,53.925 h0.7 r270
R46: B.Fab "Author: Antmicro" at 50.775,44.314 h0.7; B.Fab "License: Apache-2.0" at 50.775,43.198 h0.7
R47: F.Fab "License: Apache-2.0" at 97.148,76.3 h0.7 r270; F.Fab "Author: Antmicro" at 98.264,76.3 h0.7 r270
R48: B.Fab "License: Apache-2.0" at 101.257,65.859 h0.7 r270; B.Fab "Author: Antmicro" at 102.774,65.859 h0.7 r270
R49: F.Fab "Author: Antmicro" at 100.25,68.914 h0.7; F.Fab "License: Apache-2.0" at 100.25,67.798 h0.7
R50: F.Fab "Author: Antmicro" at 94.442,65.216 h0.7 r225; F.Fab "License: Apache-2.0" at 93.369,66.29 h0.7 r225
R51: F.Fab "Author: Antmicro" at 102.754,67.961 h0.7 r270; F.Fab "License: Apache-2.0" at 101.237,67.961 h0.7 r270
R52: F.Fab "License: Apache-2.0" at 130.1,77.336 h0.7; F.Fab "Author: Antmicro" at 130.1,76.452 h0.7
R53: F.Fab "Author: Antmicro" at 142.417,65.63 h0.7 r90; F.Fab "License: Apache-2.0" at 143.783,65.63 h0.7 r90
R54: F.Fab "License: Apache-2.0" at 145.683,61.05 h0.7 r90; F.Fab "Author: Antmicro" at 144.317,61.05 h0.7 r90
R55: F.Fab "License: Apache-2.0" at 138,51.598 h0.7; F.Fab "Author: Antmicro" at 138,52.714 h0.7
R56: B.Fab "License: Apache-2.0" at 58.35,49.748 h0.7; B.Fab "Author: Antmicro" at 58.35,50.864 h0.7
R57: B.Fab "Author: Antmicro" at 58.35,47.864 h0.7; B.Fab "License: Apache-2.0" at 58.35,46.748 h0.7
R58: B.Fab "License: Apache-2.0" at 58.35,48.748 h0.7; B.Fab "Author: Antmicro" at 58.35,49.864 h0.7
R59: B.Fab "License: Apache-2.0" at 58.35,45.748 h0.7; B.Fab "Author: Antmicro" at 58.35,46.864 h0.7
R60: B.Fab "License: Apache-2.0" at 114.902,53.8 h0.7 r90; B.Fab "Author: Antmicro" at 113.786,53.8 h0.7 r90
R61: B.Fab "License: Apache-2.0" at 107.6,59.236 h0.7; B.Fab "Author: Antmicro" at 107.6,58.352 h0.7
R62: F.Fab "License: Apache-2.0" at 138,50.598 h0.7; F.Fab "Author: Antmicro" at 138,51.714 h0.7
R63: F.Fab "License: Apache-2.0" at 145.633,57.75 h0.7 r90; F.Fab "Author: Antmicro" at 144.267,57.75 h0.7 r90
R64: F.Fab "Author: Antmicro" at 142.783,71.15 h0.7 r270; F.Fab "License: Apache-2.0" at 141.417,71.15 h0.7 r270
R65: B.Fab "Author: Antmicro" at 62.74,70.052 h0.7; B.Fab "License: Apache-2.0" at 62.74,70.936 h0.7
R66: F.Fab "Author: Antmicro" at 130.164,53.8 h0.7 r270; F.Fab "License: Apache-2.0" at 129.048,53.8 h0.7 r270
R67: F.Fab "Author: Antmicro" at 100.186,79.25 h0.7 r90; F.Fab "License: Apache-2.0" at 101.302,79.25 h0.7 r90
R68: B.Fab "License: Apache-2.0" at 72.8,68.536 h0.7; B.Fab "Author: Antmicro" at 72.8,67.652 h0.7
R69: B.Fab "License: Apache-2.0" at 72.8,67.586 h0.7; B.Fab "Author: Antmicro" at 72.8,66.702 h0.7
R70: B.Fab "Author: Antmicro" at 55.488,73.715 h0.7 r90; B.Fab "License: Apache-2.0" at 54.604,75.545 h0.7 r90
R71: B.Fab "License: Apache-2.0" at 55.604,75.545 h0.7 r90; B.Fab "Author: Antmicro" at 56.488,73.715 h0.7 r90
R72: B.Fab "License: Apache-2.0" at 37.968,40.73 h0.7 r270; B.Fab "Author: Antmicro" at 39.084,40.73 h0.7 r270
R73: B.Fab "Author: Antmicro" at 39.084,38.85 h0.7 r270; B.Fab "License: Apache-2.0" at 37.968,38.85 h0.7 r270
R74: F.Fab "License: Apache-2.0" at 59.514,42.72 h0.7 r90; F.Fab "Author: Antmicro" at 60.398,44.55 h0.7 r90
R75: B.Fab "Author: Antmicro" at 69.289,53.575 h0.7 r270; B.Fab "License: Apache-2.0" at 68.173,53.575 h0.7 r270
R76: F.Fab "Author: Antmicro" at 60.5,55.314 h0.7; F.Fab "License: Apache-2.0" at 60.5,54.198 h0.7
R77: F.Fab "License: Apache-2.0" at 60.5,53.198 h0.7; F.Fab "Author: Antmicro" at 60.5,54.314 h0.7
R78: F.Fab "Author: Antmicro" at 60.5,53.314 h0.7; F.Fab "License: Apache-2.0" at 60.5,52.198 h0.7
R79: B.Fab "Author: Antmicro" at 71.2,62.452 h0.7; B.Fab "License: Apache-2.0" at 71.2,63.336 h0.7
R80: B.Fab "License: Apache-2.0" at 68.9,75.898 h0.7; B.Fab "Author: Antmicro" at 68.9,77.014 h0.7
R81: B.Fab "Author: Antmicro" at 74.286,71.4 h0.7 r90; B.Fab "License: Apache-2.0" at 75.402,71.4 h0.7 r90
R82: B.Fab "Author: Antmicro" at 71.2,63.452 h0.7; B.Fab "License: Apache-2.0" at 71.2,64.336 h0.7
R83: B.Fab "Author: Antmicro" at 97.036,50.6 h0.7 r90; B.Fab "License: Apache-2.0" at 98.152,50.6 h0.7 r90
R84: F.Fab "Author: Antmicro" at 60.849,49.8 h0.7 r270; F.Fab "License: Apache-2.0" at 59.733,49.8 h0.7 r270
R85: B.Fab "Author: Antmicro" at 69.364,60.8 h0.7 r270; B.Fab "License: Apache-2.0" at 68.248,60.8 h0.7 r270
R86: B.Fab "License: Apache-2.0" at 79.802,60.5 h0.7 r90; B.Fab "Author: Antmicro" at 78.686,60.5 h0.7 r90
R87: B.Fab "License: Apache-2.0" at 70.198,60.8 h0.7 r270; B.Fab "Author: Antmicro" at 71.314,60.8 h0.7 r270
R88: B.Fab "Author: Antmicro" at 80.686,60.5 h0.7 r90; B.Fab "License: Apache-2.0" at 81.802,60.5 h0.7 r90
R89: B.Fab "Author: Antmicro" at 78.4,61.252 h0.7; B.Fab "License: Apache-2.0" at 78.4,62.136 h0.7
R90: B.Fab "Author: Antmicro" at 78.4,52.914 h0.7; B.Fab "License: Apache-2.0" at 78.4,51.798 h0.7
R91: B.Fab "License: Apache-2.0" at 69.198,60.8 h0.7 r270; B.Fab "Author: Antmicro" at 70.314,60.8 h0.7 r270
R92: B.Fab "License: Apache-2.0" at 80.802,60.5 h0.7 r90; B.Fab "Author: Antmicro" at 79.686,60.5 h0.7 r90
R93: B.Fab "Author: Antmicro" at 78.4,60.252 h0.7; B.Fab "License: Apache-2.0" at 78.4,61.136 h0.7
R94: B.Fab "License: Apache-2.0" at 78.4,50.798 h0.7; B.Fab "Author: Antmicro" at 78.4,51.914 h0.7
R95: B.Fab "Author: Antmicro" at 80.686,55.6 h0.7 r90; B.Fab "License: Apache-2.0" at 81.802,55.6 h0.7 r90
R96: B.Fab "License: Apache-2.0" at 70.198,55.9 h0.7 r270; B.Fab "Author: Antmicro" at 71.314,55.9 h0.7 r270
R97: B.Fab "License: Apache-2.0" at 80.802,55.6 h0.7 r90; B.Fab "Author: Antmicro" at 79.686,55.6 h0.7 r90
R98: B.Fab "Author: Antmicro" at 70.314,55.9 h0.7 r270; B.Fab "License: Apache-2.0" at 69.198,55.9 h0.7 r270
R99: F.Fab "Author: Antmicro" at 71.186,44.9 h0.7 r90; F.Fab "License: Apache-2.0" at 72.302,44.9 h0.7 r90
R100: F.Fab "License: Apache-2.0" at 141.467,67.25 h0.7 r270; F.Fab "Author: Antmicro" at 142.833,67.25 h0.7 r270
R101: F.Fab "Author: Antmicro" at 142.833,63.53 h0.7 r270; F.Fab "License: Apache-2.0" at 141.467,63.53 h0.7 r270
R102: F.Fab "License: Apache-2.0" at 141.467,60.51 h0.7 r270; F.Fab "Author: Antmicro" at 142.833,60.51 h0.7 r270
R103: B.Fab "Author: Antmicro" at 117.964,89.739 h0.7 r270; B.Fab "License: Apache-2.0" at 116.447,89.739 h0.7 r270
R104: F.Fab "Author: Antmicro" at 72.186,44.9 h0.7 r90; F.Fab "License: Apache-2.0" at 73.302,44.9 h0.7 r90
R105: B.Fab "Author: Antmicro" at 65.236,41 h0.7 r90; B.Fab "License: Apache-2.0" at 66.352,41 h0.7 r90
R106: F.Fab "Author: Antmicro" at 73.536,39.1 h0.7 r90; F.Fab "License: Apache-2.0" at 74.652,39.1 h0.7 r90
R107: B.Fab "License: Apache-2.0" at 126.163,91.551 h0.7 r90; B.Fab "Author: Antmicro" at 124.646,91.551 h0.7 r90
R108: B.Fab "Author: Antmicro" at 107.104,89.469 h0.7 r270; B.Fab "License: Apache-2.0" at 105.587,89.469 h0.7 r270
R109: B.Fab "Author: Antmicro" at 70.544,48.2 h0.7 r270; B.Fab "License: Apache-2.0" at 69.428,48.2 h0.7 r270
R110: B.Fab "Author: Antmicro" at 73.65,47.552 h0.7; B.Fab "License: Apache-2.0" at 73.65,48.436 h0.7
R111: B.Fab "Author: Antmicro" at 53.35,50.164 h0.7; B.Fab "License: Apache-2.0" at 53.35,49.048 h0.7
R112: B.Fab "License: Apache-2.0" at 86.111,36.287 h0.7; B.Fab "Author: Antmicro" at 86.111,37.804 h0.7
R113: B.Fab "Author: Antmicro" at 111.3,62.552 h0.7; B.Fab "License: Apache-2.0" at 111.3,63.436 h0.7
R114: B.Fab "License: Apache-2.0" at 113.2,52.098 h0.7; B.Fab "Author: Antmicro" at 113.2,53.214 h0.7
R115: F.Fab "Author: Antmicro" at 104.05,55.264 h0.7; F.Fab "License: Apache-2.0" at 104.05,54.148 h0.7
R116: F.Fab "License: Apache-2.0" at 105.95,65.436 h0.7; F.Fab "Author: Antmicro" at 105.95,64.552 h0.7
R117: B.Fab "Author: Antmicro" at 57.586,49 h0.7 r90; B.Fab "License: Apache-2.0" at 58.702,49 h0.7 r90
R118: F.Fab "Author: Antmicro" at 112.861,53.275 h0.7 r90; F.Fab "License: Apache-2.0" at 113.977,53.275 h0.7 r90
R119: F.Fab "Author: Antmicro" at 102.614,63.45 h0.7 r270; F.Fab "License: Apache-2.0" at 101.498,63.45 h0.7 r270
R120: F.Fab "License: Apache-2.0" at 146.9,50.698 h0.7; F.Fab "Author: Antmicro" at 146.9,51.814 h0.7
R121: F.Fab "Author: Antmicro" at 146.9,50.814 h0.7; F.Fab "License: Apache-2.0" at 146.9,49.698 h0.7
R122: B.Fab "Author: Antmicro" at 113.996,91.241 h0.7 r90; B.Fab "License: Apache-2.0" at 115.513,91.241 h0.7 r90
R123: B.Fab "License: Apache-2.0" at 45.8,81.898 h0.7; B.Fab "Author: Antmicro" at 45.8,81.015 h0.7
R124: F.Fab "License: Apache-2.0" at 104.998,63.45 h0.7 r270; F.Fab "Author: Antmicro" at 106.114,63.45 h0.7 r270
R125: F.Fab "Author: Antmicro" at 105.114,63.45 h0.7 r270; F.Fab "License: Apache-2.0" at 103.998,63.45 h0.7 r270
R126: F.Fab "License: Apache-2.0" at 101.398,55.475 h0.7 r270; F.Fab "Author: Antmicro" at 102.514,55.475 h0.7 r270
R127: B.Fab "License: Apache-2.0" at 59.702,49 h0.7 r90; B.Fab "Author: Antmicro" at 58.586,49 h0.7 r90
R128: B.Fab "Author: Antmicro" at 107.936,52.3 h0.7 r90; B.Fab "License: Apache-2.0" at 109.052,52.3 h0.7 r90
R129: B.Fab "Author: Antmicro" at 47.7,73.677 h0.7; B.Fab "License: Apache-2.0" at 47.7,72.56 h0.7
R130: B.Fab "Author: Antmicro" at 73.286,71.4 h0.7 r90; B.Fab "License: Apache-2.0" at 74.402,71.4 h0.7 r90
R131: F.Fab "Author: Antmicro" at 73.365,55.852 h0.7; F.Fab "License: Apache-2.0" at 71.535,56.736 h0.7
R132: B.Fab "Author: Antmicro" at 142.8,46.314 h0.7; B.Fab "License: Apache-2.0" at 142.8,45.198 h0.7
R133: B.Fab "License: Apache-2.0" at 103.5,83.498 h0.7; B.Fab "Author: Antmicro" at 103.5,84.614 h0.7
R134: B.Fab "Author: Antmicro" at 125.914,71 h0.7 r270; B.Fab "License: Apache-2.0" at 124.798,71 h0.7 r270
R135: B.Fab "License: Apache-2.0" at 111.3,66.436 h0.7; B.Fab "Author: Antmicro" at 111.3,65.552 h0.7
R136: F.Fab "License: Apache-2.0" at 98.398,50.3 h0.7 r270; F.Fab "Author: Antmicro" at 99.514,50.3 h0.7 r270
R137: F.Fab "Author: Antmicro" at 107.886,48.1 h0.7 r90; F.Fab "License: Apache-2.0" at 109.002,48.1 h0.7 r90
R138: F.Fab "License: Apache-2.0" at 104.05,38.448 h0.7; F.Fab "Author: Antmicro" at 104.05,39.564 h0.7
R139: F.Fab "License: Apache-2.0" at 96.398,50.3 h0.7 r270; F.Fab "Author: Antmicro" at 97.514,50.3 h0.7 r270
R140: F.Fab "Author: Antmicro" at 112.326,39.1 h0.7 r90; F.Fab "License: Apache-2.0" at 113.442,39.1 h0.7 r90
R141: B.Fab "License: Apache-2.0" at 125.798,71 h0.7 r270; B.Fab "Author: Antmicro" at 126.914,71 h0.7 r270
R142: B.Fab "License: Apache-2.0" at 45.8,80.898 h0.7; B.Fab "Author: Antmicro" at 45.8,80.015 h0.7
R143: B.Fab "License: Apache-2.0" at 126.093,66.11 h0.7 r90; B.Fab "Author: Antmicro" at 124.977,66.11 h0.7 r90
R144: F.Fab "Author: Antmicro" at 55.464,59.55 h0.7 r270; F.Fab "License: Apache-2.0" at 54.348,59.55 h0.7 r270
R145: B.Fab "Author: Antmicro" at 45.8,79.015 h0.7; B.Fab "License: Apache-2.0" at 45.8,79.898 h0.7
R146: B.Fab "License: Apache-2.0" at 51.2,78.586 h0.7; B.Fab "Author: Antmicro" at 51.2,77.702 h0.7
R147: B.Fab "License: Apache-2.0" at 32.806,46.344 h0.7 r270; B.Fab "Author: Antmicro" at 33.922,46.344 h0.7 r270
R148: B.Fab "License: Apache-2.0" at 51.82,75.278 h0.7; B.Fab "Author: Antmicro" at 51.82,76.394 h0.7
R149: B.Fab "License: Apache-2.0" at 64.29,82.086 h0.7; B.Fab "Author: Antmicro" at 62.46,81.202 h0.7
R150: B.Fab "License: Apache-2.0" at 64.29,83.061 h0.7; B.Fab "Author: Antmicro" at 62.46,82.177 h0.7
R151: B.Fab "Author: Antmicro" at 37.514,44.9 h0.7 r270; B.Fab "License: Apache-2.0" at 36.398,44.9 h0.7 r270
R152: B.Fab "Author: Antmicro" at 36.514,44.9 h0.7 r270; B.Fab "License: Apache-2.0" at 35.398,44.9 h0.7 r270
R153: B.Fab "License: Apache-2.0" at 64.29,81.111 h0.7; B.Fab "Author: Antmicro" at 62.46,80.227 h0.7
R154: F.Fab "License: Apache-2.0" at 37.952,58.7 h0.7 r90; F.Fab "Author: Antmicro" at 36.836,58.7 h0.7 r90
R155: B.Fab "Author: Antmicro" at 50.748,72.595 h0.7 r90; B.Fab "License: Apache-2.0" at 49.864,74.425 h0.7 r90
R156: B.Fab "Author: Antmicro" at 55.45,61.392 h0.7; B.Fab "License: Apache-2.0" at 55.45,62.276 h0.7
R157: B.Fab "License: Apache-2.0" at 44.675,88.667 h0.7; B.Fab "Author: Antmicro" at 44.675,89.783 h0.7
R158: F.Fab "License: Apache-2.0" at 59.248,53 h0.7 r270; F.Fab "Author: Antmicro" at 60.364,53 h0.7 r270
R159: F.Fab "Author: Antmicro" at 61.22,58.794 h0.7; F.Fab "License: Apache-2.0" at 61.22,57.678 h0.7
R160: B.Fab "Author: Antmicro" at 94.875,81.502 h0.7; B.Fab "License: Apache-2.0" at 94.875,82.386 h0.7
R161: F.Fab "Author: Antmicro" at 96.95,68.252 h0.7; F.Fab "License: Apache-2.0" at 96.95,69.136 h0.7
R162: F.Fab "Author: Antmicro" at 96.95,67.252 h0.7; F.Fab "License: Apache-2.0" at 96.95,68.136 h0.7
R163: F.Fab "License: Apache-2.0" at 97.45,71.486 h0.7; F.Fab "Author: Antmicro" at 97.45,70.602 h0.7
R164: B.Fab "Author: Antmicro" at 41.614,84.1 h0.7 r270; B.Fab "License: Apache-2.0" at 40.498,84.1 h0.7 r270
R165: B.Fab "License: Apache-2.0" at 47.641,77.583 h0.7; B.Fab "Author: Antmicro" at 47.641,78.699 h0.7
R166: B.Fab "License: Apache-2.0" at 102.002,54.9 h0.7 r90; B.Fab "Author: Antmicro" at 100.886,54.9 h0.7 r90
R167: B.Fab "Author: Antmicro" at 97.29,60.739 h0.7; B.Fab "License: Apache-2.0" at 97.29,59.623 h0.7
R168: B.Fab "Author: Antmicro" at 95.4,70.222 h0.7; B.Fab "License: Apache-2.0" at 95.4,71.106 h0.7
R169: F.Fab "License: Apache-2.0" at 73.472,64.48 h0.7 r90; F.Fab "Author: Antmicro" at 72.356,64.48 h0.7 r90
R170: F.Fab "Author: Antmicro" at 58.875,69.722 h0.7; F.Fab "License: Apache-2.0" at 57.045,70.606 h0.7
R171: B.Fab "License: Apache-2.0" at 99.075,64.911 h0.7; B.Fab "Author: Antmicro" at 99.075,64.027 h0.7
R172: F.Fab "License: Apache-2.0" at 53.94,65.877 h0.7; F.Fab "Author: Antmicro" at 53.94,66.993 h0.7
R173: F.Fab "License: Apache-2.0" at 74.32,74.858 h0.7; F.Fab "Author: Antmicro" at 74.32,75.974 h0.7
R174: B.Fab "Author: Antmicro" at 102.466,68.675 h0.7 r270; B.Fab "License: Apache-2.0" at 101.35,68.675 h0.7 r270
R175: B.Fab "Author: Antmicro" at 48.19,91.723 h0.7; B.Fab "License: Apache-2.0" at 48.19,92.607 h0.7
R176: F.Fab "Author: Antmicro" at 74.32,74.974 h0.7; F.Fab "License: Apache-2.0" at 74.32,73.858 h0.7
R177: F.Fab "Author: Antmicro" at 83.916,78.02 h0.7 r90; F.Fab "License: Apache-2.0" at 85.032,78.02 h0.7 r90
R178: F.Fab "Author: Antmicro" at 73.942,71.925 h0.7 r90; F.Fab "License: Apache-2.0" at 75.058,71.925 h0.7 r90
R179: B.Fab "License: Apache-2.0" at 102.35,68.675 h0.7 r270; B.Fab "Author: Antmicro" at 103.466,68.675 h0.7 r270
R180: B.Fab "License: Apache-2.0" at 92.718,58.363 h0.7 r45; B.Fab "Author: Antmicro" at 91.929,59.152 h0.7 r45
R181: B.Fab "Author: Antmicro" at 58.225,66.164 h0.7; B.Fab "License: Apache-2.0" at 58.225,65.048 h0.7
R182: F.Fab "License: Apache-2.0" at 53.823,64.935 h0.7 r90; F.Fab "Author: Antmicro" at 54.707,66.765 h0.7 r90
R183: B.Fab "License: Apache-2.0" at 79.922,88.77 h0.7 r90; B.Fab "Author: Antmicro" at 78.806,88.77 h0.7 r90
R184: F.Fab "Author: Antmicro" at 100.514,50.3 h0.7 r270; F.Fab "License: Apache-2.0" at 99.398,50.3 h0.7 r270
R185: F.Fab "License: Apache-2.0" at 38.339,61.706 h0.7 r270; F.Fab "Author: Antmicro" at 39.455,61.706 h0.7 r270
R186: F.Fab "License: Apache-2.0" at 122.098,58.2 h0.7 r270; F.Fab "Author: Antmicro" at 123.214,58.2 h0.7 r270
R187: F.Fab "Author: Antmicro" at 124.214,58.2 h0.7 r270; F.Fab "License: Apache-2.0" at 123.098,58.2 h0.7 r270
R188: F.Fab "License: Apache-2.0" at 59.9,37.298 h0.7; F.Fab "Author: Antmicro" at 59.9,38.414 h0.7
R189: B.Fab "License: Apache-2.0" at 139.6,46.536 h0.7; B.Fab "Author: Antmicro" at 139.6,45.652 h0.7
R190: B.Fab "Author: Antmicro" at 139.6,37.314 h0.7; B.Fab "License: Apache-2.0" at 139.6,36.198 h0.7
R191: B.Fab "License: Apache-2.0" at 135.7,45.476 h0.7; B.Fab "Author: Antmicro" at 135.7,44.592 h0.7
R192: B.Fab "Author: Antmicro" at 137.7,46.652 h0.7; B.Fab "License: Apache-2.0" at 137.7,47.536 h0.7
R193: B.Fab "License: Apache-2.0" at 94.502,59.2 h0.7 r90; B.Fab "Author: Antmicro" at 93.386,59.2 h0.7 r90
R194: B.Fab "Author: Antmicro" at 89,55.214 h0.7; B.Fab "License: Apache-2.0" at 89,54.098 h0.7
R195: B.Fab "License: Apache-2.0" at 92.501,46.117 h0.7; B.Fab "Author: Antmicro" at 92.501,47.634 h0.7
R196: B.Fab "License: Apache-2.0" at 48.65,78.917 h0.7; B.Fab "Author: Antmicro" at 48.65,78.033 h0.7
R197: B.Fab "License: Apache-2.0" at 142.8,46.798 h0.7; B.Fab "Author: Antmicro" at 142.8,47.914 h0.7
R198: F.Fab "Author: Antmicro" at 39,63.952 h0.7; F.Fab "License: Apache-2.0" at 39,64.836 h0.7
R199: F.Fab "License: Apache-2.0" at 39,65.836 h0.7; F.Fab "Author: Antmicro" at 39,64.952 h0.7
R200: F.Fab "Author: Antmicro" at 104.055,50.314 h0.7; F.Fab "License: Apache-2.0" at 104.055,49.198 h0.7
R201: F.Fab "License: Apache-2.0" at 104.055,50.198 h0.7; F.Fab "Author: Antmicro" at 104.055,51.314 h0.7
R202: F.Fab "Author: Antmicro" at 104.055,53.269 h0.7; F.Fab "License: Apache-2.0" at 104.055,52.153 h0.7
R203: F.Fab "Author: Antmicro" at 104.055,54.269 h0.7; F.Fab "License: Apache-2.0" at 104.055,53.153 h0.7
R204: B.Fab "Author: Antmicro" at 84.111,37.774 h0.7; B.Fab "License: Apache-2.0" at 84.111,36.257 h0.7
R205: B.Fab "Author: Antmicro" at 79.714,62.9 h0.7 r270; B.Fab "License: Apache-2.0" at 78.598,62.9 h0.7 r270
R206: B.Fab "Author: Antmicro" at 103.5,83.614 h0.7; B.Fab "License: Apache-2.0" at 103.5,82.498 h0.7